# Altium PCB PCB_OBDH.PcbDoc (part 2 of 3)
Units mil, origin at the board's own origin, x right, y up, seen from the top; angles counter-clockwise.
Board outline 3627.19 x 3509.21 mil, 2 copper layers (Top Layer, Bottom Layer), stack 65.792 mil thick; 195 components, 145 nets, 736 pads, 309 vias.
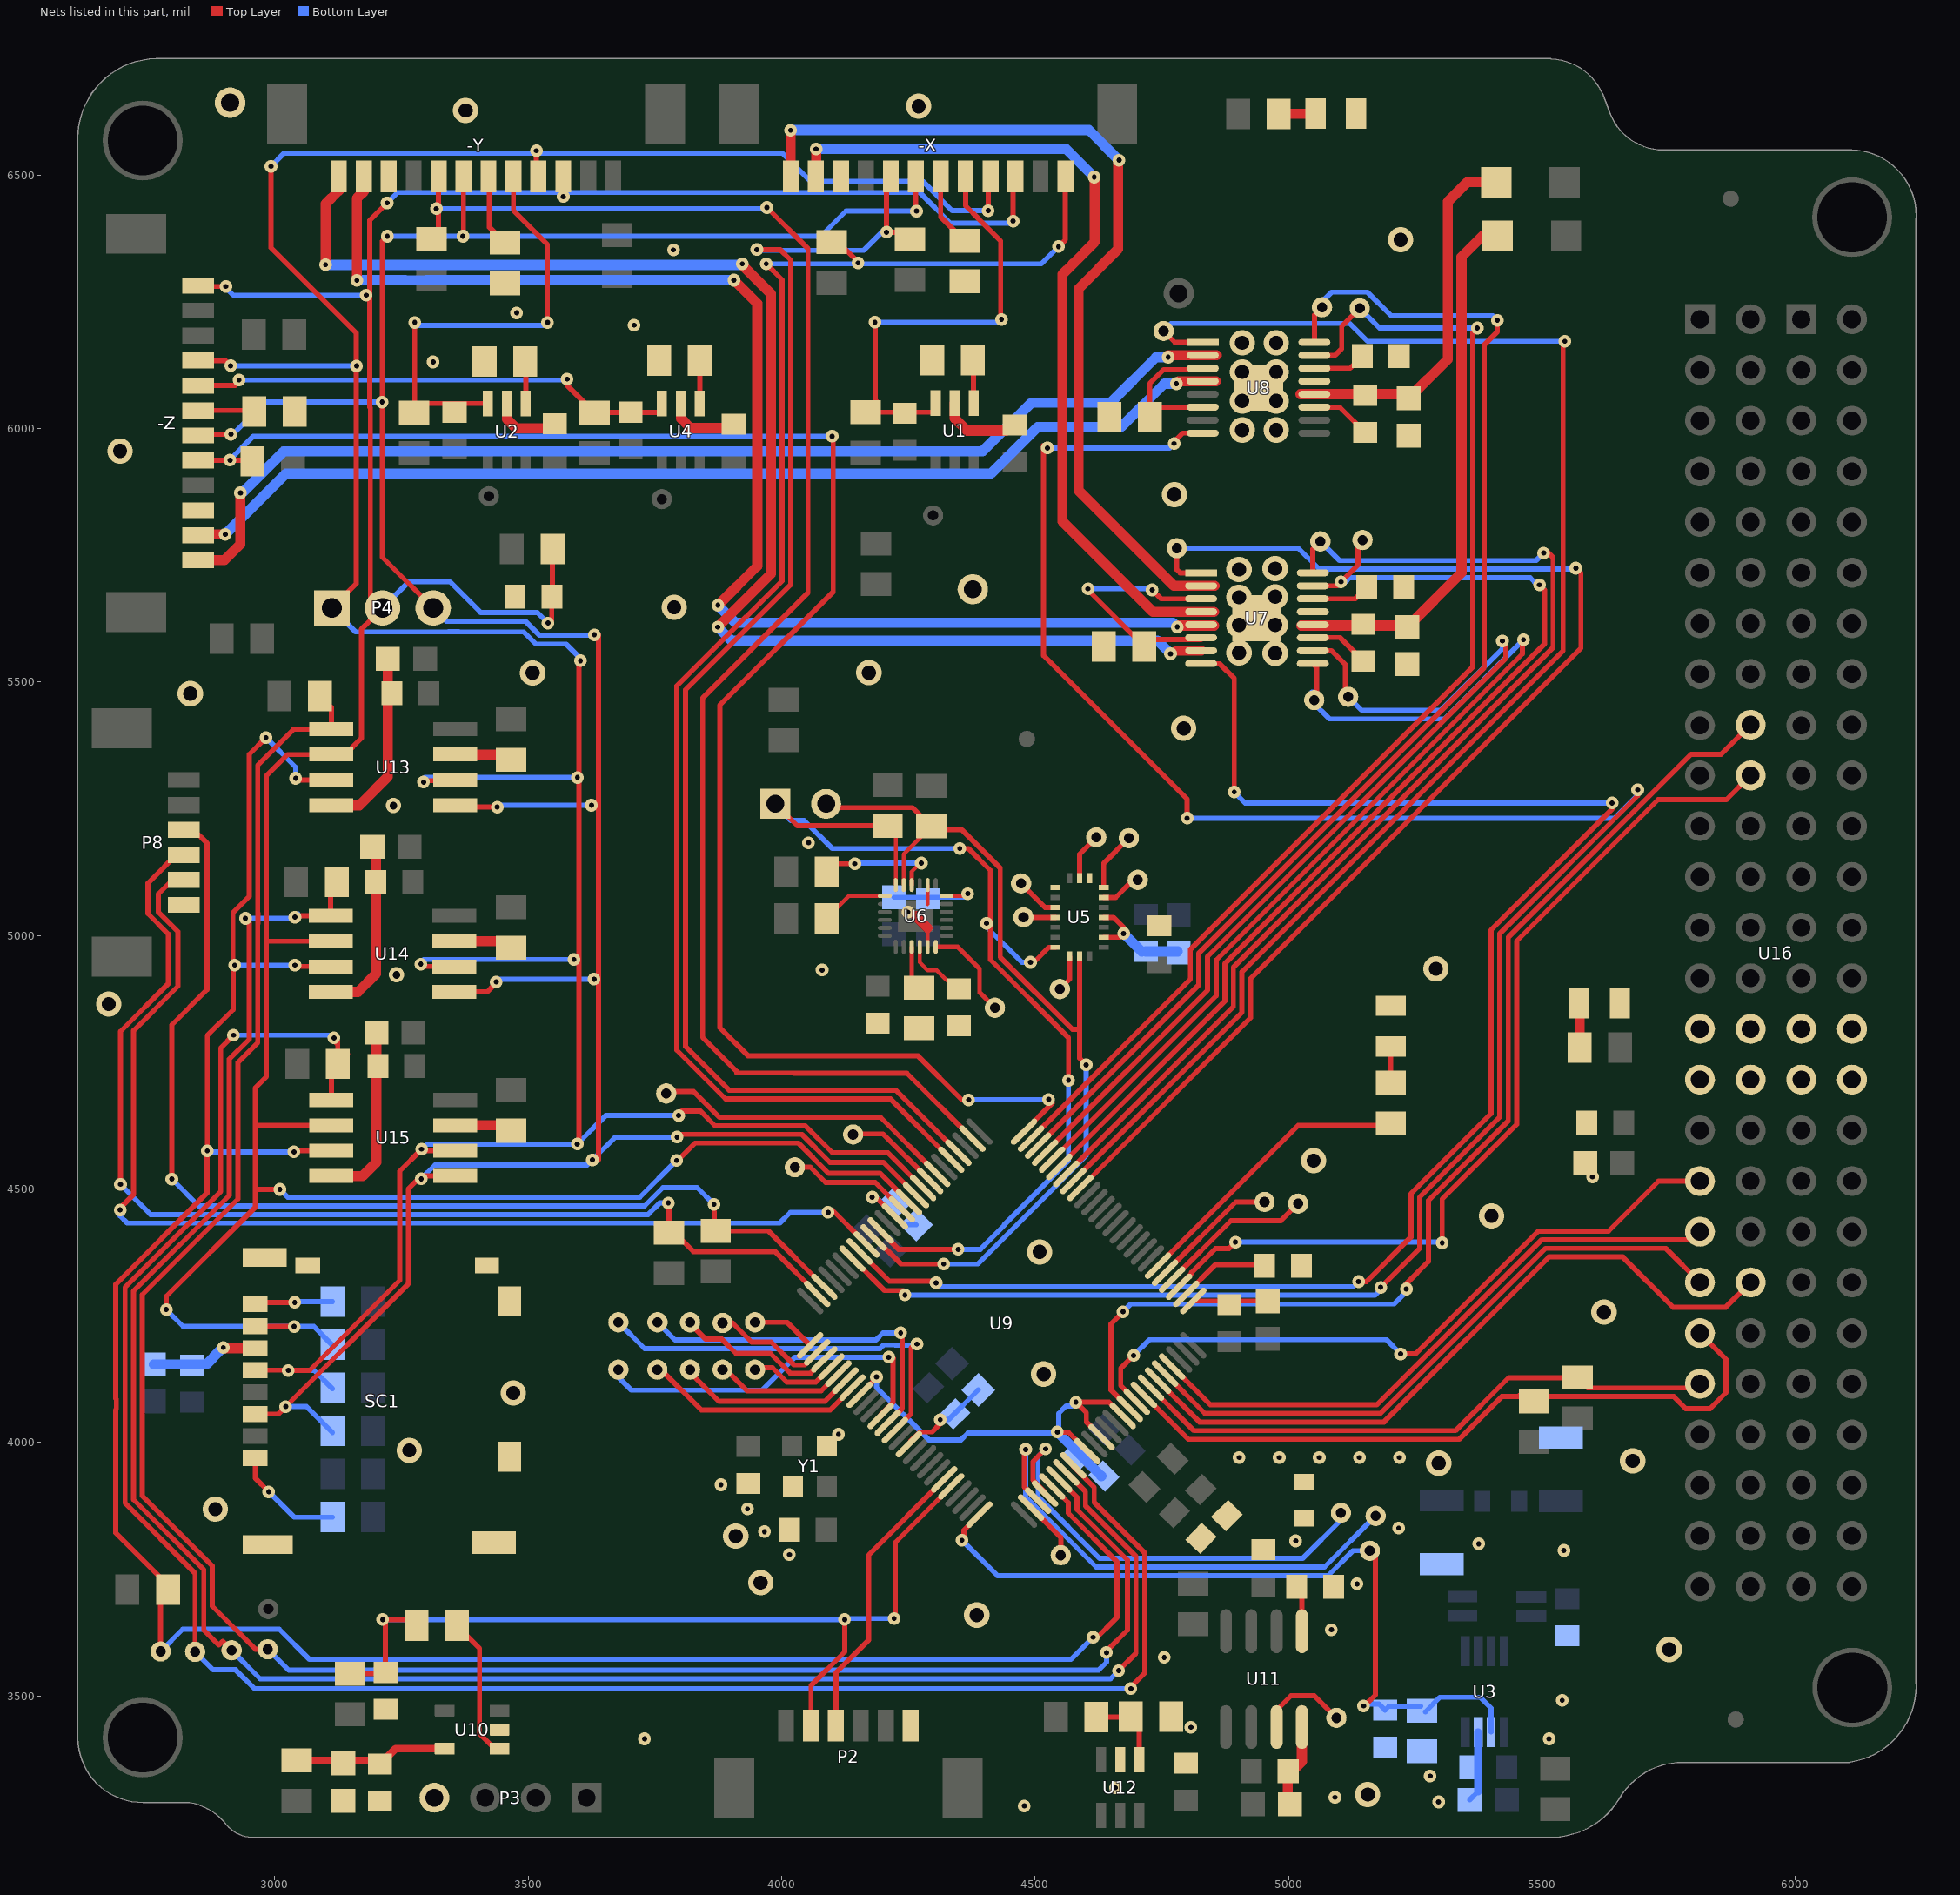
[diagram p2: the nets of this part, all layers, seen from the top]

## Via types
v1: diameter 25, hole 10, Top Layer to Bottom Layer, tented both sides, 261 vias
v2: diameter 50, hole 28, Top Layer to Bottom Layer, tented both sides, 46 vias
v3: diameter 30, hole 15, Top Layer to Bottom Layer, tented both sides, 2 vias

## Nets (pads, with @x,y where several pads share a name; then routed paths per layer and width w, separated by ;. In a path a pad name is that pad's centre, name@x,y a point inside that pad or via, vN(x,y) a via of type N, cw(c..) or ccw(c..) an arc to the next point about the centre after c; other vN are vias at no path point) (continued)
AGND: C2.2 C4.2 C19.2 C23.2 C26.2 C33.2 C37.2 C38.2 C39.2 C52.2 C53.2 C58.2 FB2.2 R7.1 R36.2 U3.3 U9.10 U9.12 U9.15 U9.83 U11.4 U12.2 | length 1255.6
  Top Layer w10: U9.83@4153.78,4094.15 4189.94,4130.31 v1@4190.16,4130.31 ; v1(4544.09,4020.47) 4565.7,4020.47 U9.10@4603.37,3982.8 ; U9.12@4631.21,4010.63 4601.18,4040.67 4601.18,4059.06 v1(4580.71,4079.53) 4645.84,4079.53 U9.15@4672.97,4052.39
  Top Layer w20: C37.2@5002.56,3292.16 4998.43,3296.3 4998.43,3343.31 5026.57,3371.46 U11.4@5026.57,3438.58
  Bottom Layer w10: v1(4187.18,4129.13) 4187.18,4108.56 4290.53,4005.21 4354.03,4005.21 4367.32,4018.5 4542.13,4018.5 v1(4544.09,4020.47) 4546.76,4023.14 4546.76,4057.39 4561.11,4071.74 4572.93,4071.74 v1(4580.71,4079.53) ; C23.2@4630.87,3933.7 C23.2@4636.06,3933.7 ; C52.2@5357.48,3294.88 C52.2@5374.21,3311.61
  Bottom Layer w15: C52.2@5374.21,3311.61 U3.3@5374.21,3428.54
  Bottom Layer w20: v1(4544.09,4020.47) C23.2@4630.87,3933.7
  other v1: 5296.06,3290.94 5091.73,3300 4658.66,3318.9 5279.53,3342.13 5514.17,3415.35 4807.48,3438.19 5540.16,3491.34 4754.72,3575.98 5084.65,3630.71 5135.31,3721.11 5543.31,3787.01 5375.2,3800 5014.17,3805.91 5217.31,3831.24
  other v2: 5156.3,3305.51
ANTENNA_DEBUG: P8.5 U9.67 | length 2271.9
  Top Layer w10: v1(2694.88,4458.66) 2690.94,4458.66 2721.65,4489.37 2721.65,4812.57 2809.06,4899.97 2809.06,5007.83 2770.47,5046.42 2770.47,5081.89 2798.43,5109.84 P8.5@2820.47,5109.84 ; v1@4100.46,4457.87 U9.67@4167.7,4390.63
  Bottom Layer w10: v1(2694.88,4458.66) 2694.88,4446.85 2708.96,4432.77 3996.1,4432.77 4017.27,4453.94 v1(4091.67,4453.94)
DRIVER_CH0_0: TP12.1 U7.16 U9.44 | length 2163.9
  Top Layer w10: U9.44@4561.61,4529.83 4891.31,4859.52 4891.31,4937.34 5522.12,5568.16 5522.12,5745.99 v1@5508.46,5759.65 ; U7.16@5048.03,5715.55 5048.03,5762.6 TP12.1@5062.99,5777.56
  Bottom Layer w10: TP12.1@5062.99,5777.56 5100.72,5739.83 5488.65,5739.83 v1(5503.54,5754.72)
DRIVER_CH0_1: TP14.1 U7.15 U9.45 | length 2101.9
  Top Layer w10: U9.45@4547.7,4543.75 4874.31,4870.36 4874.31,4944.39 5505.12,5575.2 5505.12,5681.89 v1(5495.28,5691.73) ; U7.15@5048.03,5689.96 5095.87,5689.96 v1(5103.54,5697.64) ; v1@5103.54,5697.68 5137.4,5731.54 TP14.1@5137.4,5777.17
  Bottom Layer w10: v1(5103.54,5697.64) 5112.67,5697.64 5120.87,5705.83 5477.17,5705.83 5491.27,5691.73 v1(5495.28,5691.73)
DRIVER_CH0_CH1_FAULT: U7.8 U9.68 | length 3212.2
  Top Layer w10: U9.68@4153.78,4376.72 4212.38,4318.11 v1@4298.82,4318.11 ; U7.8@4827.56,5536.42 4863.98,5536.42 4892.91,5507.48 v1(4892.91,5283.07) ; v1(5138.19,4317.32) 5153.85,4317.32 5241.64,4405.12 5241.64,4490.8 5399.54,4648.7 5399.54,5010.6 5638.58,5249.64 v1(5638.58,5261.42)
  Bottom Layer w10: v1(4304.72,4314.96) 4312.22,4307.46 5127.56,4307.46 ; v1(4892.91,5283.07) 4914.57,5261.42 v1(5638.58,5261.42)
DRIVER_CH0_CH1_SLEEP: TP18.1 U7.1 U9.42 | length 2534.2
  Top Layer w10: U9.42@4589.45,4501.99 4925.31,4837.84 4925.31,4915.07 5576.97,5566.73 5576.97,5714.76 v1(5566.93,5724.8) ; TP18.1@4779.53,5764.17 4779.53,5722.05 4786.02,5715.55 U7.1@4827.56,5715.55
  Bottom Layer w10: TP18.1@4779.53,5764.17 5019.29,5764.17 5060.63,5722.83 5564.96,5722.83 v1(5566.93,5724.8)
DRIVER_CH1_0: TP15.1 U7.9 U9.46 | length 2016.6
  Top Layer w10: U9.46@4533.78,4557.67 4857.31,4881.2 4857.31,4951.43 5461.4,5555.52 5461.4,5581.09 v1(5463.78,5583.46) ; TP15.1@5055.91,5474.02 5055.91,5528.54 U7.9@5048.03,5536.42 U7.9@5069.49,5536.42
  Bottom Layer w10: TP15.1@5049.79,5480.13 5045.99,5480.13 5045.99,5462.25 5080.75,5427.49 5307.8,5427.49 v1(5463.78,5583.46)
DRIVER_CH1_1: TP17.1 U7.10 U9.47 | length 1906.6
  Top Layer w10: U9.47@4519.86,4571.59 4840.31,4892.04 4840.31,4958.47 5428.74,5546.9 v1@5428.74,5581.5 ; U7.10@5048.03,5562.01 5084.84,5562.01 5112.41,5534.44 TP17.1@5112.41,5470.87
  Bottom Layer w10: TP17.1@5117.72,5470.87 5144.09,5444.49 5300.76,5444.49 5422.05,5565.77 v1(5422.05,5581.1)
DRIVER_CH2_0: TP13.1 U8.16 U9.48 | length 2466.9
  Top Layer w10: U9.48@4505.94,4585.51 4823.31,4902.88 4823.31,4965.51 5386.61,5528.82 5386.61,6165.35 5412.2,6190.94 v1(5412.2,6213.78) ; U8.16@5051.18,6170.28 5051.18,6224.41 TP13.1@5066.14,6239.37
  Bottom Layer w10: TP13.1@5066.14,6239.37 5066.14,6250.22 5085.32,6269.4 5155.8,6269.4 5202.27,6222.93 5403.06,6222.93 v1(5412.2,6213.78)
DRIVER_CH2_1: TP16.1 U8.15 U9.49 | length 2352.9
  Top Layer w10: U9.49@4492.02,4599.43 4806.31,4913.72 4806.31,4972.55 5363.47,5529.72 5363.47,6189.46 ; U8.15@5051.18,6144.69 5092.32,6144.69 5105.12,6157.48 5105.12,6201.97 TP16.1@5140.55,6237.4
  Bottom Layer w10: TP16.1@5140.55,6237.4 5179.53,6198.43 v1(5372.44,6198.43)
DRIVER_CH2_FAULT: U8.8 U9.69 | length 4344.3
  Top Layer w10: U9.69@4139.86,4362.8 4203.05,4299.61 v1@4240.55,4299.61 ; v1@4516.91,5967.32 4516.91,5552.38 4800,5269.29 v1(4800,5231.5) ; v1@4778.74,5978.74 4791.14,5991.14 U8.8@4830.71,5991.14 ; v1(5181.89,4305.91) 5258.64,4382.66 5258.64,4483.76 5416.54,4641.65 5416.54,5003.55 5688.98,5275.99 v1(5688.98,5287.4)
  Bottom Layer w10: v1(4243.31,4290.94) 4243.79,4290.46 5170.78,4290.46 v1@5182.28,4301.97 ; v1(4524.41,5961.81) 4765.75,5961.81 v1(4774.41,5970.47) ; v1(4800,5231.5) 5643.31,5231.5 5688.98,5277.16 v1(5688.98,5287.4)
DRIVER_CH2_SLEEP: TP19.1 U8.1 U9.43 | length 2957
  Top Layer w10: U9.43@4575.53,4515.91 4908.31,4848.68 4908.31,4928.39 5541.73,5561.81 5541.73,6168.9 v1(5545.28,6172.44) ; TP19.1@4753.54,6192.52 4775.79,6170.28 U8.1@4830.71,6170.28
  Bottom Layer w10: TP19.1@4753.54,6192.52 4768.5,6207.48 5052.78,6207.48 5052.89,6207.37 5120.98,6207.37 5155.91,6172.44 v1(5545.28,6172.44)
GND: -X.10 -Y.10 -Z.10 C6.2 C7.2 C8.2 C9.2 C10.2 C11.2 C12.2 C13.2 C14.2 C17.2 C18.2 C20.2 C21.2 C22.2 C24.2 C25.2 C27.2 C28.1 C29.2 C30.2 C31.2 C32.2 C34.2 C35.2 C36.1 C40.2 C41.2 C42.1 C43.2 C44.2 C45.2 C46.2 C47.2 C48.2 C49.2 C50.2 C51.2 C54.2 C55.2 C56.2 D1.2 D3.2 D4.2 FB2.1 P2.6 P3.4 P8.6 pad.7 R1.2 R2.1 R4.2 R5.1 R8.2 R9.1 R15.2 R16.1 R17.1 SC1.6 SC1.10 U1.2 U2.2 U4.2 U5.4 U5.6 U5.17 U5.20 U6.11 U6.18 U6.20 U7.0 U7.13 U8.0 U8.13 U9.26 U9.63 U9.90 U10.2 U13.4 U14.4 U15.4 U16.H1-29 U16.H1-30 U16.H1-31 U16.H1-32 U16.H2-29 U16.H2-30 U16.H2-31 U16.H2-32 Y1.2 Y1.4 | length 2679
  Top Layer w8: 4264.57,5038.58 4267.52,5038.58 ; U6.11@4288.19,4977.56 4288.19,5014.96 ; 4288.19,5062.2 U6.20@4288.19,5099.61 ; U6.18@4325.59,5077.95 v1@4362.6,5077.95
  Top Layer w10: v1@4182.28,4487.4 U9.63@4223.37,4446.31 ; U9.90@4253.73,4001.75 4272.86,4020.88 4296.87,4020.88 4312.98,4037 v1(4312.98,4044.87) ; U5.6@4635.43,4996.46 4667.32,4996.46 v1(4674.8,5003.94) 4674.8,5016.14 4655.12,5035.83 U5.4@4635.43,5035.83 ; U9.26@4812.16,4279.28 4939.83,4279.28 C40.2@4950.74,4268.37
  Top Layer w20: v1@2903.35,4186.02 SC1.6@2961.18,4186.02 ; U15.4@3080.32,4525.59 3173.23,4525.59 3200.79,4553.15 C46.2@3200.79,4808.27 ; U14.4@3110.24,4888.98 3164.17,4888.98 3199.61,4924.41 3199.61,5167.72 C44.2@3192.52,5174.8 ; U13.4@3111.81,5257.09 3167.32,5257.09 3223.23,5312.99 C47.2@3223.23,5545.67 ; U2.2@3457.88,6049.61 3457.88,6018.5 3475.98,6000.39 C35.2@3533.27,6000.39 ; U4.2@3801.18,6049.61 3801.18,6020.08 3820.08,6001.18 C56.2@3881.89,6001.18 ; 4264.57,5038.58 4288.19,5014.96 ; U1.2@4341.34,6050.39 4341.34,6020.47 4365.75,5996.06 C32.2@4442.72,5996.06
  Bottom Layer w10: v1(4178.74,4483.86) 4186.86,4483.86 C29.2@4194.98,4475.74 ; C29.2@4203.11,4467.76 4241.43,4429.43 C31.2@4265.65,4429.43 ; C10.2@4222.05,5075.59 v1@4360.24,5075.59 ; v1(4312.98,4044.87) 4329.33,4044.87 C34.2@4388.09,4103.64 ; C6.2@4710.04,4968.7 C6.2@4718.5,4968.7 ; C7.2@4781.69,4968.7 C7.2@4783.46,4966.93
  Bottom Layer w20: C45.2@2761.42,4153.94 2864.96,4153.94 v1@2892.91,4181.89 ; v1(4674.8,5003.94) C6.2@4710.04,4968.7 ; C6.2@4718.5,4968.7 C7.2@4781.69,4968.7
  other v1: 4478.74,3283.07 3729.53,3415.35 4015.35,3778.74 3966.14,3824.02 3932.68,3868.9 3880.32,3916.54 4902.76,3970.08 4981.79,3970.08 5060.83,3970.08 5139.86,3970.08 5218.9,3970.08 4112.01,4016.14 2898.48,4187.45 5600,4523.62 4079.92,4931.89 4249.21,5046.46 4367.32,5082.68 4053.15,5183.07 3312.6,6131.5 3709.05,6203.94 3477.17,6228.35 3786.61,6352.36
  other v2: 5751.18,3591.73 4385.04,3659.45 3958.66,3723.62 3909.45,3815.35 2882.68,3868.5 5296.46,3959.06 5679.13,3963.78 3265.35,3984.25 3470.47,4097.64 4516.93,4135.04 5622.44,4257.09 4509.06,4375.98 5400.79,4446.85 5049.61,4555.91 2672.44,4864.96 5290.94,4934.25 4793.31,5408.66 2833.46,5477.17 3508.66,5518.11 4172.05,5518.5 4973.62,5557.09 4902.36,5557.87 4902.36,5612.6 4973.62,5612.73 3788.19,5647.64 4902.36,5667.32 4973.62,5668.37 4902.36,5722.05 4973.62,5724.02 4774.8,5870.08 2694.88,5955.91 4908.66,5997.24 4975.98,5997.24 4908.66,6054.59 4975.98,6054.59 4908.66,6111.94 4975.98,6111.94 4908.66,6169.29 4975.98,6169.29 5221.26,6372.44 3376.38,6627.56 4270.47,6635.83
  other v3: 3240.16,4922.44 3234.25,5256.3
GYRO_X_CSN: -X.8 R24.1 U9.54 | length 2746.1
  Top Layer w10: v1(3951.18,6353.15) 3997.22,6353.15 4017.97,6332.4 4017.97,5692.38 3810.35,5484.76 3810.35,4781.11 3896.5,4694.95 3952.68,4694.95 3953.15,4694.49 4225.75,4694.49 U9.54@4348.65,4571.59 ; -X.8@4215.35,6497.64 4207.09,6489.37 v1(4207.09,6387.4) R24.1@4226.61,6387.4
  Bottom Layer w10: v1(3951.18,6353.15) 3955.91,6353.15 3957.28,6351.77 4162.01,6351.77 4202.36,6392.13 v1(4207.09,6387.4)
GYRO_Y_CSN: -Y.8 R29.1 U9.52 | length 3144.9
  Top Layer w10: R29.1@3309.45,6374.25 3323.23,6388.03 -Y.8@3323.23,6497.64 ; v1(3970.87,6436.22) 4051.97,6355.12 4051.97,5676.38 3844.35,5468.76 3844.35,4798.82 3911.42,4731.75 3911.42,4728.95 4024.29,4728.95 4024.76,4728.49 4247.42,4728.49 U9.52@4376.49,4599.43
  Bottom Layer w10: 3332.07,6433.56 3558.96,6433.56 3559.14,6433.37 3579.44,6433.37 3579.62,6433.56 3962.51,6433.56 3965.36,6430.71 v1(3970.87,6436.22)
  other v1: 3318.9,6433.86
GYRO_Z_CSN: -Z.8 R31.1 U9.50 | length 3360.7
  Top Layer w10: -Z.8@2848.82,5937.4 2954.09,5937.4 R31.1@2956.06,5935.43 ; v1@4101.67,5985.04 4101.67,5677.99 3878.35,5454.67 3878.35,4818.07 3933.46,4762.95 4192.84,4762.95 4193.31,4762.49 4269.01,4762.49 4355.51,4675.98 v1(4368.9,4675.98) ; U9.50@4478.1,4613.35 v1@4534.15,4669.4
  Bottom Layer w10: v1@2911.42,5938.58 2957.87,5985.04 v1(4099.61,5985.04) ; v1(4368.9,4675.98) v1@4525.98,4675.98
  other v1: 4526.77,4676.77 2911.81,5937.8
I2C0_SCL: R22.1 U9.19 U16.H1-43 | length 1173.3
  Top Layer w10: U9.19@4728.65,4108.07 4813.38,4023.34 5329.64,4023.34 5434.09,4127.8 R22.1@5570.47,4127.8 5590.72,4107.55 5803.61,4107.55 U16.H1-43@5811.81,4115.75
I2C0_SDA: R23.1 U9.18 U16.H1-41 | length 1386
  Top Layer w10: U9.18@4714.73,4094.15 4802.54,4006.34 5336.68,4006.34 5420.89,4090.55 5456.27,4090.55 5456.27,4093.77 5473.58,4093.77 5476.8,4090.55 5760.24,4090.55 5783.86,4066.93 5831.89,4066.93 5863.39,4098.43 5863.39,4164.17 U16.H1-41@5811.81,4215.75
I2C1_SCL: P5.2 R12.1 U5.9 U6.23 U9.66 | length 1853.3
  Top Layer w8: U6.23@4240.94,5099.61 4240.94,5160.39 R12.1@4295.67,5215.12
  Top Layer w10: P5.2@4087.8,5259.84 4095.28,5252.36 4258.43,5252.36 R12.1@4295.67,5215.12 4302.18,5208.6 4355.85,5208.6 4431.31,5133.14 4431.31,4957.3 4573.65,4814.96 4587.8,4814.96 ; U9.66@4181.61,4404.55 4182.9,4404.55 4235.48,4351.97 v1(4319.69,4351.97) ; U5.9@4587.8,4958.66 4587.8,4814.96 ; v1(4600.79,4744.88) 4587.8,4757.87 4587.8,4814.96
  Bottom Layer w10: v1(4319.69,4351.97) 4387.01,4351.97 4600.79,4565.75 v1(4600.79,4744.88)
I2C1_SDA: P5.1 R11.1 U5.11 U6.24 U9.65 | length 2116.7
  Top Layer w8: U6.24@4225.2,5099.61 R11.1@4225.2,5200.55
  Top Layer w10: P5.1@3987.8,5259.84 4030.94,5216.69 R11.1@4209.06,5216.69 R11.1@4225.2,5200.55 ; U9.65@4196.81,4414.68 4230.39,4381.1 v1(4348.43,4381.1) ; v1(4351.57,5171.65) 4368.76,5171.65 4412.2,5128.2 4412.2,4952.36 4566.14,4798.43 v1(4566.14,4714.57) ; v1(4490.94,4947.24) 4497.64,4947.24 4527.17,4976.77 U5.11@4540.16,4976.77
  Bottom Layer w10: P5.1@3987.8,5257.48 4018.5,5226.77 4044.88,5226.77 4100,5171.65 v1(4351.57,5171.65) ; v1(4348.43,4381.1) 4392.1,4381.1 4439.75,4428.75 ; v1(4404.33,5024.02) 4404.33,5016.93 4474.02,4947.24 v1(4490.94,4947.24) ; 4439.14,4429.37 4566.14,4556.37 v1(4566.14,4714.57)
I2C2_SCL: P8.4 R20.1 U9.74 | length 2270.3
  Top Layer w10: v1(2695.67,4509.06) 2695.67,4810.63 2789.76,4904.72 2789.76,5003.08 2749.61,5043.24 2749.61,5103.19 2812.97,5166.56 P8.4@2820.47,5159.06 ; v1@3779.13,4476.38 3777.56,4474.8 R20.1@3777.56,4414.17 3788.58,4414.17 3825.98,4376.77 3986.69,4376.77 U9.74@4070.26,4293.2
  Bottom Layer w10: v1(2695.67,4509.06) 2754.96,4449.77 3736.8,4449.77 3759.47,4472.44 v1(3776.38,4472.44)
I2C2_SDA: P8.3 R21.1 U9.73 | length 2167.4
  Top Layer w10: v1(2796.85,4519.69) 2796.85,4823.67 2866.19,4893.01 2866.19,5182.63 2840.55,5208.27 P8.3@2820.47,5208.27 ; 3867.32,4455.51 3867.32,4419.92 R21.1@3870.08,4417.17 3974.13,4417.17 U9.73@4084.18,4307.12
  Bottom Layer w10: v1(2796.85,4519.69) 2849.77,4466.77 3729.76,4466.77 3765.75,4502.76 3833.46,4502.76 v1(3866.54,4469.69)
JTAG_TCK: P2.3 U9.95 | length 574.3
  Top Layer w10: P2.3@4107.09,3441.34 4107.09,3545.64 4172.12,3610.67 4172.12,3778.43 U9.95@4320.81,3927.12
JTAG_TDO: C20.1 P2.2 R18.1 R48.1 U9.96 | length 1801.1
  Top Layer w10: R18.1@3148.43,3543.54 3215.79,3543.54 C20.1@3218.5,3546.26 3218.5,3645.28 v1(3212.99,3650.79) 3267.09,3650.79 R48.1@3279.68,3638.19 ; P2.2@4057.87,3441.34 4057.87,3520.47 4124.41,3587.01 v1(4124.41,3650.79) ; v1(4222.05,3652.76) v1@4224.02,3652.76 ; v1@4224.02,3657.87 4224.02,3802.49 U9.96@4334.73,3913.2
  Bottom Layer w10: v1(3212.99,3650.79) v1(4124.41,3650.79) 4124.41,3652.76 v1(4222.05,3652.76)
LED_SYSTEM: R28.1 U9.31 | length 563.6
  Top Layer w10: U9.31@4742.57,4348.88 5019.09,4625.4 5188,4625.4 R28.1@5190.55,4627.95
MAGNETORQUER_X0: -X.12 U7.2 | length 1790.8
  Top Layer w20: v1(4017.72,6588.58) 4017.72,6498.43 -X.12@4018.5,6497.64 ; v1@4664.17,6530.31 4664.17,6353.96 4585.83,6275.61 4585.83,5877.95 4773.82,5689.96 U7.2@4827.56,5689.96 U7.2@4854.33,5689.96
  Bottom Layer w20: v1@4022.05,6588.98 4606.3,6588.98 v1(4665.75,6529.53)
MAGNETORQUER_X1: -X.11 U7.4 | length 1684.6
  Top Layer w20: -X.11@4068.11,6510.63 v1(4068.11,6551.64) ; v1@4617.72,6495.28 4617.72,6368.11 4574.98,6325.37 4554.33,6304.72 4554.33,5816.94 4732.49,5638.78 U7.4@4827.56,5638.78 U7.4@4853.15,5638.78
  Bottom Layer w20: v1@4073.23,6551.97 4560.87,6551.97 v1(4616.54,6496.31)
MAGNETORQUER_Y0: -Y.12 U7.7 | length 2755.2
  Top Layer w20: v1(3100.39,6323.23) 3100.39,6443.7 3126.38,6469.69 -Y.12@3126.38,6497.64 ; v1(3874.02,5608.61) 3978.97,5713.57 3978.97,6265.91 3922.44,6322.44 v1(3922.44,6325.2) ; 4779.33,5562.01 U7.7@4827.56,5562.01
  Bottom Layer w20: v1(3100.39,6323.23) 3100.76,6322.86 3920.11,6322.86 v1(3922.44,6325.2) ; v1(3874.02,5608.61) 3900.97,5581.66 4741.57,5581.66 v1(4767.32,5555.91)
MAGNETORQUER_Y1: -Y.11 U7.5 | length 2645.2
  Top Layer w20: v1(3162.2,6292.52) 3162.2,6454.33 3175.59,6467.72 -Y.11@3175.59,6497.64 ; v1(3874.41,5651.57) 3951.97,5729.13 3951.97,6246.85 v1(3905.91,6292.91) ; v1(4780.71,5608.66) 4783.54,5611.49 U7.5@4853.54,5611.49
  Bottom Layer w20: v1@3162.2,6292.91 3257.87,6292.91 3258.1,6292.69 3300.16,6292.69 3300.39,6292.91 v1(3905.91,6292.91) ; v1(3874.41,5651.57) 3908.66,5617.32 4772.05,5617.32 v1(4780.71,5608.66)
MAGNETORQUER_Z0: -Z.12 U8.2 | length 2229
  Top Layer w20: -Z.12@2848.82,5740.55 2900.79,5740.55 2932.28,5772.05 v1(2932.28,5873.23) ; v1@4762.6,6144.69 U8.2@4830.71,6144.69 U8.2@4858.27,6144.69
  Bottom Layer w20: v1@2937.4,5874.41 3018.11,5955.12 4396.46,5955.12 4492.91,6051.57 4649.61,6051.57 4738.98,6140.94 v1(4762.6,6140.94)
MAGNETORQUER_Z1: -Z.11 U8.4 | length 2127.9
  Top Layer w20: -Z.11@2848.82,5789.76 2850.39,5791.34 v1(2902.36,5791.34) ; v1@4782.87,6093.5 U8.4@4830.71,6093.5 U8.4@4857.09,6093.5
  Bottom Layer w20: v1(2902.36,5791.34) 3022.44,5911.42 4413.39,5911.42 4505.12,6003.15 4669.85,6003.15 4755.28,6088.58 v1(4778.74,6088.58)
MEM0_\C\E\: R34.1 TP42.1 U9.6 U13.1 | length 4324
  Top Layer w10: TP42.1@2986.22,3604.72 TP42.1@2986.22,3592.13 2961.95,3592.13 2876.91,3677.17 2876.91,3756.55 2738.58,3894.88 2738.58,4291.64 2927.33,4480.39 2927.33,4749.3 2966.46,4788.44 2966.46,5023.55 2966.63,5023.71 2966.63,5044.01 2966.46,5044.17 2966.46,5336.15 3037.4,5407.09 U13.1@3111.81,5407.09 3111.81,5450.24 R34.1@3089.21,5472.83 ; U9.6@4547.7,3927.12 4582.61,3892.21 4582.61,3867.76 4682.14,3768.23 4682.14,3629.78 v1@4642.52,3590.16
  Bottom Layer w10: TP42.1@2986.22,3592.13 3027.49,3550.86 4625.2,3550.86 4640.94,3566.61 v1(4640.94,3585.43)
MEM1_\C\E\: R43.1 TP44.1 U9.7 U14.1 | length 4128.1
  Top Layer w10: TP44.1@2899.82,3590.16 TP44.1@2914.96,3590.16 2897.28,3607.84 2889.71,3600.26 2859.91,3630.06 2859.91,3749.17 2721.58,3887.5 2721.58,4298.69 2910.33,4487.43 2910.33,4756.34 2949.46,4795.48 2949.46,5025.34 2942.13,5032.68 v1(2942.13,5033.86) ; v1(3039.76,5036.22) 3042.52,5038.98 U14.1@3110.24,5038.98 R43.1@3110.24,5094.25 ; U9.7@4561.61,3941.04 4599.61,3903.05 4599.61,3874.8 4699.14,3775.27 4699.14,3584.18 v1(4664.96,3550)
  Bottom Layer w10: TP44.1@2914.96,3590.16 2971.26,3533.86 4648.82,3533.86 v1(4664.96,3550) ; v1(2942.13,5033.86) 3037.4,5033.86 v1(3039.76,5036.22) v1@3046.06,5042.52
MEM2_\C\E\: R45.1 TP46.1 U9.8 U15.1 | length 4109.3
  Top Layer w10: TP46.1@2842.91,3587.01 2842.91,3742.13 2704.58,3880.46 2704.58,4306.27 2893.33,4495.02 2893.33,4778.37 v1(2918.5,4803.54) ; U15.1@3111.81,4675.59 R45.1@3111.81,4734.41 ; R45.1@3143.54,4766.14 R45.1@3124.25,4746.85 3124.25,4785.43 ; U9.8@4575.53,3954.96 4575.53,3952.44 4616.61,3911.37 4616.61,3881.84 4716.14,3782.31 4716.14,3544.88 v1@4682.28,3511.02 ; 3124.25,4785.43 3124.25,4790.83 v1(3116.93,4798.15) 3116.93,4792.76 3124.25,4785.43
  Bottom Layer w10: TP46.1@2842.91,3587.01 2878.35,3551.57 2922.81,3551.57 2959.82,3514.57 v1(4688.98,3514.57) ; v1(2918.5,4803.54) v1@3116.93,4803.54
MEM_WP: R33.1 TP41.1 U9.5 U13.3 U14.3 U15.3 | length 4861.1
  Top Layer w10: TP41.1@2774.8,3587.8 R33.1@2774.8,3709.29 ; R33.1@2789.21,3709.84 2789.21,3718.66 2686.22,3821.65 2686.22,4064.17 2687.49,4065.44 2687.49,4085.74 2686.22,4087.01 2686.22,4311.95 2866.14,4491.87 2866.14,4568.48 v1@2859.43,4575.2 ; v1(2866.93,4575.2) 2866.93,4803.09 2917.72,4853.88 2917.72,4935.43 2920.87,4938.58 v1(2920.87,4941.73) 2917.63,4944.97 2917.63,5045.19 2949.46,5077.03 ; 2949.46,5077.95 2949.46,5357.34 v1(2982.68,5390.55) ; v1(3039.76,4941.73) 3042.52,4938.98 U14.3@3110.24,4938.98 ; v1(3041.34,5310.24) 3044.49,5307.09 U13.3@3111.81,5307.09 ; v1@3043.7,4575.59 U15.3@3111.81,4575.59 ; U9.5@4533.78,3913.2 4565.61,3881.37 4565.61,3860.72 4661.98,3764.34 4661.98,3655.29 v1@4616.14,3609.45
  Bottom Layer w10: TP41.1@2774.8,3587.8 2818.5,3631.5 3009.06,3631.5 3068.5,3572.05 4570.87,3572.05 v1(4614.57,3615.75) ; v1(2866.93,4575.2) 2868.9,4573.23 v1(3037.8,4573.23) ; v1@2917.72,4938.19 v1@2921.26,4941.73 ; v1(2920.87,4941.73) v1@2921.26,4941.73 ; v1(2982.68,5390.55) 3041.34,5331.89 v1(3041.34,5310.24) ; v1(3039.76,4941.73) v1@2921.26,4941.73
NetC12_1: C12.1 U6.10 | length 129.5
  Top Layer w8: U6.10@4272.44,4977.56 4272.44,4947.24 4287.98,4931.71 4306.21,4931.71 4342.84,4895.08 C12.1@4350,4895.08
NetC13_1: C13.1 C15.1 F1.1 U7.12 | length 1045
  Top Layer w20: U7.12@5025.2,5611.49 5234.25,5611.49 C13.1@5234.25,5608.77 5341.47,5715.99 5341.47,6338.72 F1.1@5383.07,6380.31
NetC14_1: C14.1 C16.1 F2.1 U8.12 | length 748.4
  Top Layer w20: U8.12@5024.02,6067.91 U8.12@5051.18,6067.91 5229.05,6067.91 C14.1@5237.4,6059.56 5314.47,6136.63 5314.47,6447.64 5353.06,6486.22 F2.1@5410.06,6486.22
NetC15_2: C15.2 U7.11 | length 119.2
  Top Layer w10: U7.11@5048.03,5587.6 5048.23,5587.8 5101.77,5587.8 C15.2@5148.03,5541.54
NetC16_2: C16.2 U8.11 | length 120.7
  Top Layer w10: U8.11@5051.18,6042.32 5101.18,6042.32 C16.2@5151.18,5992.32
NetC17_1: C17.1 U7.14 | length 115.5
  Top Layer w10: U7.14@5048.03,5664.37 5131.5,5664.37 C17.1@5154.13,5687.01
NetC18_1: C18.1 U8.14 | length 104.2
  Top Layer w10: U8.14@5051.18,6119.09 5121.65,6119.09 C18.1@5145.47,6142.91
NetC27_1: C27.1 C30.1 J_V3.1 U10.5 | length 312.1
  Top Layer w15: J_V3.1@3042.91,3372.68 C27.1@3215,3372.68 ; C27.1@3207.87,3365.55 C27.1@3215,3372.68 ; U10.5@3335.24,3396.06 3238.39,3396.06 C27.1@3215,3372.68
NetC28_2: C28.2 U9.27 | length 178.8
  Top Layer w10: U9.27@4798.24,4293.2 4855.44,4350.39 4950.59,4350.39 C28.2@4952.56,4348.43
NetC39_1: C39.1 U11.5 | length 92.2
  Top Layer w10: C39.1@5015.94,3715.35 5026.57,3704.72 U11.5@5026.57,3627.56
NetD1_1: D1.1 R26.1 | length 72
  Top Layer w20: R26.1@4981.34,6621.26 D1.1@5053.35,6621.26
NetD3_1: D3.1 R28.2 | length 71.6
  Top Layer w10: R28.2@5201.97,4709.69 D3.1@5201.97,4781.3
NetD4_1: D4.1 R47.1 | length 87.9
  Top Layer w20: D4.1@5573.82,4866.54 5574.17,4866.18 R47.1@5574.17,4778.74
NetR1_1: R1.1 U1.1 | length 75.8
  Top Layer w10: R1.1@4377.4,6110.63 4378.74,6109.29 U1.1@4378.74,6035.43
NetR4_1: R4.1 U2.1 | length 86.8
  Top Layer w10: U2.1@3495.28,6049.61 3495.28,6127.72 R4.1@3501.43,6133.86
NetR8_1: R8.1 U4.1 | length 97.8
  Top Layer w10: R8.1@3838.23,6130.31 3838.58,6129.96 U4.1@3838.58,6032.68
NetR13_1: R13.1 U6.22 | length 247.8
  Top Layer w8: U6.22@4256.69,5099.61 4256.69,5125.98 v1@4271.26,5140.55
  Top Layer w10: R13.1@4088.7,5126.14 4104.29,5141.73 v1(4144.49,5141.73)
  Bottom Layer w10: v1@4137.8,5144.88 4139.76,5142.91 v1(4275.59,5142.91)
NetR14_1: R14.1 U6.1 | length 133
  Top Layer w8: R14.1@4088.7,5034.02 4132.64,5077.95 U6.1@4203.54,5077.95
NetR15_1: R15.1 U6.9 | length 82.8
  Top Layer w8: R15.1@4256.69,4905.35 U6.9@4256.69,4977.56
  Top Layer w10: R15.1@4249.21,4897.87 R15.1@4256.69,4905.35
NetR16_2: R16.2 U8.3 U8.6 | length 269.2
  Top Layer w10: R16.2@4726.61,6022.83 4726.61,6089.52 4753.54,6116.44 4830.71,6116.44 U8.3@4830.71,6119.09 ; R16.2@4746.1,6042.32 U8.6@4830.71,6042.32
NetR17_2: R17.2 U7.3 U7.6 | length 492.1
  Top Layer w10: v1@4605.12,5685.83 4605.12,5680.94 R17.2@4715.59,5570.47 ; v1(4731.1,5681.89) 4748.62,5664.37 U7.3@4827.56,5664.37 ; R17.2@4732.68,5581.1 4735.58,5584.01 4827.56,5584.01 U7.6@4827.56,5587.6
  Bottom Layer w10: v1(4604.33,5683.86) 4729.13,5683.86 v1(4731.1,5681.89)
NetR27_2: R27.2 R36.1 U12.1 | length 159.6
  Top Layer w10: R27.2@4621.1,3458.27 4687.95,3458.27 R36.1@4688.74,3459.06 4705.51,3442.28 U12.1@4705.51,3374.41
NetR35_1: R35.1 U13.7 | length 114.4
  Top Layer w20: U13.7@3356.1,5357.09 3455.67,5357.09 R35.1@3466.14,5346.61
NetR37_1: R37.1 SC1.8 | length 154.1
  Top Layer w10: SC1.8@2961.18,4272.64 cw(c2970.21,4263.61) 2970.21,4276.38 v1(3039.37,4276.38)
  Bottom Layer w10: v1@3039.37,4276.77 cw(c3042.22,4273.92) 3042.22,4277.95 R37.1@3113.94,4277.95
NetR42_1: R42.1 SC1.1 | length 222.3
  Top Layer w10: SC1.1@2961.18,3969.49 2961.18,3929.76 v1(2988.19,3902.76)
  Bottom Layer w10: v1@2989.76,3901.57 3038.58,3852.76 R42.1@3113.94,3852.76
NetR44_1: R44.1 U14.7 | length 113
  Top Layer w10: R44.1@3441.34,4988.98 3454.09,4976.22 R44.1@3454.09,4968.11
  Top Layer w20: U14.7@3354.53,4988.98 R44.1@3441.34,4988.98
NetR46_1: R46.1 U15.7 | length 106.5
  Top Layer w10: 3434.8,4625.59 R46.1@3454.49,4605.91
  Top Layer w20: U15.7@3356.1,4625.59 3434.8,4625.59
NetR48_2: R48.2 U10.1 | length 282.6
  Top Layer w10: R48.2@3359.68,3638.19 3403.94,3593.94 3403.94,3425.74 3433.62,3396.06 U10.1@3443.5,3396.06
NetTP5_1: TP5.1 U5.2 | length 81.7
  Top Layer w10: U5.2@4635.43,5075.2 4659.06,5075.2 4693.7,5109.84 TP5.1@4702.76,5109.84
NetTP6_1: TP6.1 U5.19 | length 94.4
  Top Layer w10: U5.19@4587.8,5112.99 4587.8,5160.63 TP6.1@4620.87,5193.7
NetTP7_1: TP7.1 U5.1 | length 117.8
  Top Layer w10: U5.1@4635.43,5094.88 4635.43,5142.52 TP7.1@4685.04,5192.13
NetTP8_1: TP8.1 U5.14 | length 64.1
  Top Layer w10: TP8.1@4477.95,5036.61 TP8.1@4477.17,5035.83 U5.14@4540.16,5035.83
NetTP9_1: TP9.1 U5.15 | length 87.3
  Top Layer w10: TP9.1@4472.44,5102.76 4519.68,5055.51 U5.15@4540.16,5055.51
NetTP10_1: TP10.1 U5.10 | length 72.2
  Top Layer w10: TP10.1@4548.82,4894.49 4568.11,4913.78 U5.10@4568.11,4958.66
NetTP11_1: TP11.1 U6.12 | length 194.1
  Top Layer w9: U6.12@4303.94,4977.56 4347.64,4977.56 4390.55,4934.65 4390.55,4887.8 TP11.1@4420.87,4857.48
NetTP20_1: TP20.1 U9.3 | length 996.2
  Top Layer w10: v1(4481.5,3986.22) 4478.69,3983.41 4478.69,3912.61 U9.3@4505.94,3885.36
  Bottom Layer w10: v1(4481.5,3986.22) 4481.5,3893.28 4620.52,3754.26 5071.19,3754.26 TP20.1@5172.05,3855.12
NetTP21_1: TP21.1 U9.4 | length 888.6
  Top Layer w10: U9.4@4519.86,3899.28 4519.86,3901.8 4495.69,3925.97 4495.69,3962.22 v1(4520.87,3987.4)
  Bottom Layer w10: v1(4520.87,3987.4) 4505.91,3972.44 4505.91,3892.91 4627.56,3771.26 5027.95,3771.26 TP21.1@5103.54,3846.85
NetTP22_1: TP22.1 U9.2 | length 118.2
  Top Layer w10: U9.2@4492.02,3871.44 4550.79,3812.67 TP22.1@4550.79,3777.56
NetTP23_1: TP23.1 U9.58 | length 171.5
  Top Layer w10: TP23.1@4159.84,4608.66 4200.22,4608.66 U9.58@4292.97,4515.91
NetTP24_1: TP24.1 U11.3 | length 181.1
  Top Layer w10: U11.3@4976.57,3438.58 4976.57,3471.85 5005.12,3500.39 5050.79,3500.39 TP24.1@5094.49,3456.69
NetTP25_1: TP25.1 U9.62 | length 245.6
  Top Layer w10: TP25.1@4025.98,4542.91 4056.67,4542.91 4086.59,4512.99 4184.53,4512.99 U9.62@4237.29,4460.23
NetTP29_1: TP29.1 U9.88 | length 790.7
  Top Layer w10: U9.88@4223.37,4024.55 4255.3,4056.48 4255.3,4187.01
  Bottom Layer w10: TP29.1@3677.95,4237.01 3729.85,4185.11 4193.77,4185.11 4201.27,4192.61 4223.53,4192.61 4224.5,4191.64 4264.48,4191.64 v1(4266.93,4194.09)
NetTP30_1: TP30.1 U9.77 | length 227.7
  Top Layer w10: TP30.1@3883.46,4235.83 3903.08,4235.83 3940.94,4197.96 3979.6,4197.96 4024.5,4153.06 4045.65,4153.06 U9.77@4067.74,4175.15
NetTP31_1: TP31.1 U9.78 | length 317.2
  Top Layer w10: TP31.1@3819.29,4234.65 3850.11,4203.83 3882,4203.83 3910.13,4175.7 3977.82,4175.7 4017.45,4136.06 4056.49,4136.06 U9.78@4084.18,4163.75
NetTP32_1: TP32.1 U9.79 | length 165.8
  Top Layer w10: TP32.1@3956.69,4147.24 3982.23,4147.24 4010.41,4119.06 4067.33,4119.06 U9.79@4098.1,4149.83
NetTP33_1: TP33.1 U9.30 | length 254
  Top Layer w10: U9.30@4756.49,4334.96 4895.94,4474.41 TP33.1@4952.76,4474.41
NetTP34_1: TP34.1 U9.86 | length 715.8
  Top Layer w10: U9.86@4195.53,4052.39 4195.53,4054.91 4219.7,4079.08 4219.7,4164.98 v1@4220.47,4165.75
  Bottom Layer w10: TP34.1@3662.99,4143.7 3703.54,4103.15 3961.42,4103.15 4026.38,4168.11 v1(4211.42,4168.11)
NetTP35_1: TP35.1 U9.29 | length 310.7
  Top Layer w10: U9.29@4770.41,4321.04 4886.77,4437.4 4985.04,4437.4 TP35.1@5018.9,4471.26
NetTP36_1: TP36.1 U9.82 | length 436.3
  Top Layer w10: TP36.1@3754.72,4143.7 3762.13,4143.7 3841.73,4064.1 4095.89,4064.1 U9.82@4139.86,4108.07
NetTP37_1: TP37.1 U9.87 | length 690.9
  Top Layer w10: U9.87@4209.45,4038.47 4238.3,4067.32 4238.3,4212.48 v1(4234.65,4216.14)
  Bottom Layer w10: TP37.1@3755.12,4237.01 3790.02,4202.11 4185.83,4202.11 4199.86,4216.14 v1(4234.65,4216.14)
NetTP38_1: TP38.1 U9.80 | length 252
  Top Layer w10: TP38.1@3890.95,4142.91 3931.8,4102.06 4078.17,4102.06 U9.80@4112.02,4135.91
NetTP39_1: TP39.1 U9.76 | length 158
  Top Layer w10: TP39.1@3947.64,4237.01 4010.92,4237.01 U9.76@4056.34,4191.59 U9.76@4034.82,4170.06
NetTP40_1: TP40.1 U9.81 | length 351.1
  Top Layer w10: TP40.1@3816.54,4140.94 3876.38,4081.1 4085.05,4081.1 U9.81@4125.94,4121.99
NetTP45_1: TP45.1 U9.57 | length 603.5
  Top Layer w10: TP45.1@3772.44,4688.58 3776.38,4692.52 3826.35,4692.52 3877.14,4641.73 4194.99,4641.73 U9.57@4306.89,4529.83
OBDH_CURRENT_ADC: C4.1 R7.2 TP3.1 U3.2 U9.100 | length 1557.8
  Top Layer w10: v1@4359.84,3807.09 4359.84,3826.96 U9.100@4390.41,3857.52 ; v1(5148.23,3480.12) 5149.8,3480.12 5171.46,3501.78 TP3.1@5171.46,3781.31 ; TP3.1@5157.89,3783.87 TP3.1@5160.44,3786.43
  Bottom Layer w10: v1(4355.91,3807.09) 4425.98,3737.01 5077.98,3737.01 5127.4,3786.43 TP3.1@5160.44,3786.43 ; v1@5149.61,3484.25 5178.54,3484.25 C4.1@5190.55,3472.24 5198.23,3479.92 R7.2@5260.63,3479.92 ; TP3.1@5167.53,3779.34 5172.04,3783.86 TP3.1@5174.02,3783.86 ; R7.2@5270.01,3468.55 5298.7,3497.24 5378.35,3497.24 5399.8,3475.79 U3.2@5399.8,3428.54
PAYLOAD_0_EN: U9.16 U16.H1-18 | length 2224.9
  Top Layer w10: v1(4673.62,4257.87) 4650,4234.25 4650,4103.2 U9.16@4686.89,4066.31 ; v1(5232.68,4302.76) 5232.68,4313.39 5276.38,4357.09 5276.38,4477.46 5433.54,4634.61 5433.54,4996.51 5794.3,5357.28 5853.34,5357.28 U16.H1-18@5911.81,5415.75
  Bottom Layer w10: v1(4673.62,4257.87) 4688.98,4273.23 5208.27,4273.23 v1@5235.43,4300.39
PAYLOAD_1_EN: U9.28 U16.H1-20 | length 1810.3
  Top Layer w10: U9.28@4784.33,4307.12 4784.33,4309.63 4808.49,4333.8 4808.49,4335.08 4856,4382.59 4882.59,4382.59 v1(4895.28,4395.28) ; v1(5303.15,4393.7) 5303.15,4480.19 5450.54,4627.57 5450.54,4989.47 5729.18,5268.11 5864.17,5268.11 U16.H1-20@5911.81,5315.75
  Bottom Layer w10: v1(4895.28,4395.28) 5301.57,4395.28 v1@5302.36,4396.06
SPI0_CLK: U9.17 U16.H1-35 | length 1403.5
  Top Layer w10: v1(4694.49,4171.65) 4668.9,4146.06 4668.9,4112.14 U9.17@4700.81,4080.23 ; v1(5221.26,4174.8) 5250.74,4174.8 5492.94,4417 5631.5,4417 5730.24,4515.75 U16.H1-35@5811.81,4515.75
  Bottom Layer w10: v1(4694.49,4171.65) 4725.5,4202.67 5193.4,4202.67 v1(5221.26,4174.8) ; v1@5223.82,4177.36 v1@5227.56,4173.62
SPI0_CSN: U9.20 U16.H1-40 | length 1399.2
  Top Layer w10: U9.20@4742.57,4121.99 4824.22,4040.34 5188.4,4040.34 5514.06,4366 5659.59,4366 5758.66,4266.93 5862.99,4266.93 U16.H1-40@5911.81,4315.75
SPI0_MISO: U9.22 U16.H1-37 | length 1214.1
  Top Layer w10: U9.22@4770.41,4149.83 4845.9,4074.34 5174.32,4074.34 5499.98,4400 5796.06,4400 U16.H1-37@5811.81,4415.75
SPI0_MOSI: U9.21 U16.H1-39 | length 1250.6
  Top Layer w10: U9.21@4756.49,4135.91 4835.06,4057.34 5181.36,4057.34 5507.02,4383 5744.56,4383 U16.H1-39@5811.81,4315.75
SPI1_CLK: -X.4 -Y.4 -Z.4 P4.1 R39.1 SC1.5 U9.59 U13.6 U14.6 U15.6 | length 6987.4
  Top Layer w10: -Z.4@2848.82,6134.25 2902.76,6134.25 v1(2912.99,6124.02) ; SC1.5@2961.18,4142.72 3028.94,4142.72 v1@3030.71,4144.49 ; v1(2992.52,6517.32) 2992.52,6356.69 3160.63,6188.58 3160.63,5694.09 P4.1@3112.6,5646.06 ; v1(3026.77,4142.13) 3068.87,4142.13 3246.46,4319.71 3246.46,4535.43 v1(3289.76,4578.74) 3292.91,4575.59 U15.6@3356.1,4575.59 ; v1(3288.19,4943.7) 3292.91,4938.98 U14.6@3354.53,4938.98 ; v1@3300.39,5305.51 3354.53,5305.51 U13.6@3356.1,5307.09 ; v1(3516.14,6548.03) 3516.14,6501.57 -Y.4@3520.08,6497.64 ; v1@3600.3,4588.66 3600.3,5539.37 v1(3603.15,5542.22) ; v1@3802.76,4653.54 3840.16,4653.54 3868.97,4624.73 4046.97,4624.73 4100.45,4571.26 4209.78,4571.26 U9.59@4279.05,4501.99 ; v1(4407.47,6429.91) 4407.47,6492.9 -X.4@4412.2,6497.64
  Bottom Layer w10: v1@2918.11,6123.62 v1(3161.42,6123.62) ; v1(2992.52,6517.32) 3018.9,6543.7 4000.79,6543.7 4056.6,6487.89 4278.65,6487.89 4336.63,6429.91 v1(4407.47,6429.91) ; v1(3026.77,4142.13) 3077.48,4142.13 R39.1@3113.94,4105.67 ; P4.1@3112.6,5646.06 3159.6,5599.06 3342.37,5599.06 3342.61,5599.3 3362.9,5599.3 3363.14,5599.06 3491.37,5599.06 3515.4,5575.04 3574.8,5575.04 3597.94,5551.9 3597.94,5542.22 v1(3603.15,5542.22) ; v1(3288.19,4943.7) v1@3296.54,4952.05 ; v1(3289.76,4578.74) 3299.68,4588.66 v1(3596.88,4588.66) 3653.1,4644.88 v1(3796.85,4644.88) ; v1@3290.55,5305.91 3296.46,5311.81 v1(3597.24,5311.81) ; v1@3293.78,4952.83 v1(3590.19,4952.83)
  other v1: 3293.7,5302.76
SPI1_MISO: -X.3 -Y.3 -Z.1 C24.1 P4.2 R19.1 R38.1 SC1.7 U9.61 U13.2 U14.2 U15.2 | length 6800.5
  Top Layer w10: v1(2785.83,4262.2) 2785.83,4288.19 2961.33,4463.69 2961.33,4699.21 2983.46,4721.35 2983.46,4988.98 ; -Z.1@2848.82,6281.89 2850.39,6280.31 v1(2903.54,6280.31) ; SC1.7@2961.18,4229.33 2961.77,4228.74 v1(3038.19,4228.74) ; 2963.69,4499.21 v1(3010.24,4499.21) ; 2963.69,4625.59 U15.2@3111.81,4625.59 ; U14.2@3110.24,4988.98 2983.46,4988.98 ; v1(3180.31,6263.37) v1@3185.92,6257.76 ; P4.2@3212.6,5646.06 P4.2@3190.16,5623.62 ; v1(3221.65,6445.28) 3187.31,6410.93 3187.31,6042.21 3188.65,6040.87 3188.65,5661.46 3188.58,5661.39 3188.58,5625.2 P4.2@3190.16,5623.62 ; v1@3546.65,5617.13 C24.1@3546.65,5668.5 3547.87,5669.72 R19.1@3547.87,5762.6 ; v1@3795.67,4557.09 3829.32,4590.73 4032.89,4590.73 4092.52,4531.1 4194.26,4531.1 U9.61@4251.21,4474.15 ; v1(4456.69,6409.45) 4456.69,6492.91 -X.3@4461.42,6497.64 -X.3@4468.5,6504.72 ; 2983.46,4988.98 2983.63,4989.14 2983.63,5051.05 2983.46,5051.21 2983.46,5315.35 3025.2,5357.09 U13.2@3111.81,5357.09 3138.91,5357.09 3170.87,5389.05 3170.87,5604.33 P4.2@3190.16,5623.62
  Bottom Layer w10: v1(2785.83,4262.2) 2819.29,4228.74 3077.01,4228.74 R38.1@3113.94,4191.81 ; v1@2904.72,6276.38 2917.73,6263.37 v1(3180.31,6263.37) ; v1@3007.48,4498.03 v1@3008.27,4497.24 ; v1(3010.24,4499.21) 3025.68,4483.77 3720.38,4483.77 v1(3792.91,4556.3) ; P4.2@3212.6,5646.06 3264.17,5697.64 3346.06,5697.64 3406.44,5637.26 3518.25,5637.26 v1(3538.98,5616.54) ; v1(3221.65,6445.28) 3242.22,6465.84 4272.74,6465.84 4333.17,6405.41 4452.65,6405.41 v1(4456.69,6409.45)
  other v1: 3569.29,6457.87
SPI1_MOSI: -X.7 -Y.7 -Z.7 P4.3 R40.1 SC1.3 U9.60 U13.5 U14.5 U15.5 | length 6205.7
  Top Layer w10: -Z.7@2848.82,5986.61 2851.18,5988.98 v1(2913.39,5988.98) ; SC1.3@2961.18,4056.1 3006.89,4056.1 v1(3021.65,4070.87) 3263.46,4312.67 3263.46,4500.07 3288.98,4525.59 U15.5@3356.1,4525.59 ; v1(3222.05,6379.53) 3212.3,6369.78 3212.3,5746.37 P4.3@3312.6,5646.06 ; U14.5@3354.53,4888.98 3419.29,4888.98 v1@3431.5,4901.18 ; U13.5@3359.65,5253.54 v1(3438.98,5253.54) ; v1(3371.26,6379.53) 3372.44,6380.71 -Y.7@3372.44,6497.64 ; v1@3638.51,4557.56 v1@3638.51,5593.39 ; v1@3793.7,4607.73 4039.93,4607.73 4095.3,4552.36 4200.84,4552.36 U9.60@4265.13,4488.07 ; -X.7@4264.57,6497.64 4264.57,6430.71 v1(4266.14,6429.13)
  Bottom Layer w10: v1@2916.93,5988.58 2980.71,6052.36 v1(3211.81,6052.36) ; v1(3021.65,4070.87) 3062.6,4070.87 R40.1@3113.94,4019.53 ; v1(3222.05,6379.53) v1(3371.26,6379.53) 4077.33,6379.53 4126.93,6429.13 v1(4266.14,6429.13) ; v1(3288.98,4520.08) 3316.14,4547.24 3616.49,4547.24 v1(3626.8,4557.56) 3671.61,4602.36 v1(3793.7,4602.36) ; P4.3@3312.6,5647.96 P4.3@3312.6,5646.06 3338.4,5620.26 3494.21,5620.26 3522.44,5592.04 3629.39,5592.04 v1(3630.74,5593.39) ; v1(3438.98,5253.54) 3442.52,5257.09 v1(3624.8,5257.09) ; v1@3442.52,4913.86 v1(3629.95,4913.86)
  other v1: 3437.04,4908.35
SUNSEN_X_ANODE: -X.6 R2.2 | length 146.5
  Top Layer w10: -X.6@4313.78,6497.64 4313.78,6417.95 R2.2@4361.02,6370.71
SUNSEN_X_CATHODE: -X.5 C1.1 R3.2 U1.3 | length 888.9
  Top Layer w10: R3.2@4185.04,6052.99 v1@4185.04,6209.84 ; R3.2@4187.01,6053.78 R3.2@4165.75,6032.52 U1.3@4302.76,6032.52 ; -X.5@4362.99,6497.64 4362.99,6439.74 4390.16,6412.57 4390.16,6412.17 4432.19,6370.13 4432.19,6217.02 v1(4433.86,6215.35)
  Bottom Layer w10: v1(4184.25,6209.84) 4437.01,6209.84 v1@4437.4,6209.45
SUNSEN_Y_ANODE: -Y.6 R5.2 | length 144.2
  Top Layer w10: -Y.6@3421.65,6497.64 3423.62,6495.67 3423.62,6397.09 R5.2@3453.94,6366.77
SUNSEN_Y_CATHODE: -Y.5 C3.1 R6.2 U2.3 | length 932.7
  Top Layer w10: R6.2@3274.81,6031.73 R6.2@3276.07,6033 ; v1(3276.07,6209.36) R6.2@3276.07,6033 ; C3.1@3354.73,6032.48 3359.85,6037.6 C3.1@3359.85,6049.61 ; U2.3@3420.48,6049.61 C3.1@3359.85,6049.61 ; -Y.5@3470.87,6497.64 3470.87,6430.31 3537.8,6363.39 v1@3537.8,6204.72 ; R6.2@3276.07,6033 3292.69,6049.61 C3.1@3359.85,6049.61
  Bottom Layer w10: v1(3276.07,6209.36) 3281.98,6203.45 v1@3537.01,6203.45
  other v1: 3538.19,6209.45
SUNSEN_Z_ANODE: -Z.6 R9.2 | length 111.6
  Top Layer w10: -Z.6@2848.82,6035.83 R9.2@2957.64,6035.83
  Top Layer w20: R9.2@2957.64,6035.83 R9.2@2959.61,6033.86
SUNSEN_Z_CATHODE: -Z.5 C5.1 R10.2 U4.3 | length 962.9
  Top Layer w10: -Z.5@2848.82,6085.04 2921.65,6085.04 v1@2932.28,6095.67 ; v1(3576.77,6097.64) 3576.77,6085.67 R10.2@3630.71,6031.73 3762.83,6031.73 U4.3@3763.78,6032.68
  Bottom Layer w10: v1(2929.53,6096.06) 3582.28,6096.06 v1@3582.68,6095.67
TEMP_X_CSN: -X.1 R25.1 U9.55 | length 3089.7
  Top Layer w10: 3928.54,5627.76 3793.35,5492.56 3793.35,4774.07 3889.46,4677.95 3945.64,4677.95 3946.11,4677.49 4214.91,4677.49 U9.55@4334.73,4557.67 ; 3928.92,5627.38 4000.97,5699.42 4000.97,6293.91 v1(3969.68,6325.2) ; R25.1@4098.43,6367.56 4111.97,6367.56 v1@4151.57,6327.95 ; v1(4546.46,6359.06) 4559.84,6372.44 -X.1@4559.84,6497.64
  Bottom Layer w10: v1@3965.75,6325.2 v1(3969.68,6325.2) 4512.6,6325.2 v1(4546.46,6359.06)
  other v1: 4150.79,6326.77